# Altium PCB uAMDC.PcbDoc (part 3 of 6)
Units mil, origin at the board's own origin, x right, y up, seen from the top; angles counter-clockwise.
Board outline 4335 x 5120 mil, 6 copper layers (Top Layer, Int1 (GND), Int2 (Sign), Int3 (Sign), Int4 (PWR), Bottom Layer), stack 55.468 mil thick; 396 components, 471 nets, 2094 pads, 683 vias.
Unrouted connection lines stored in the file: 618.
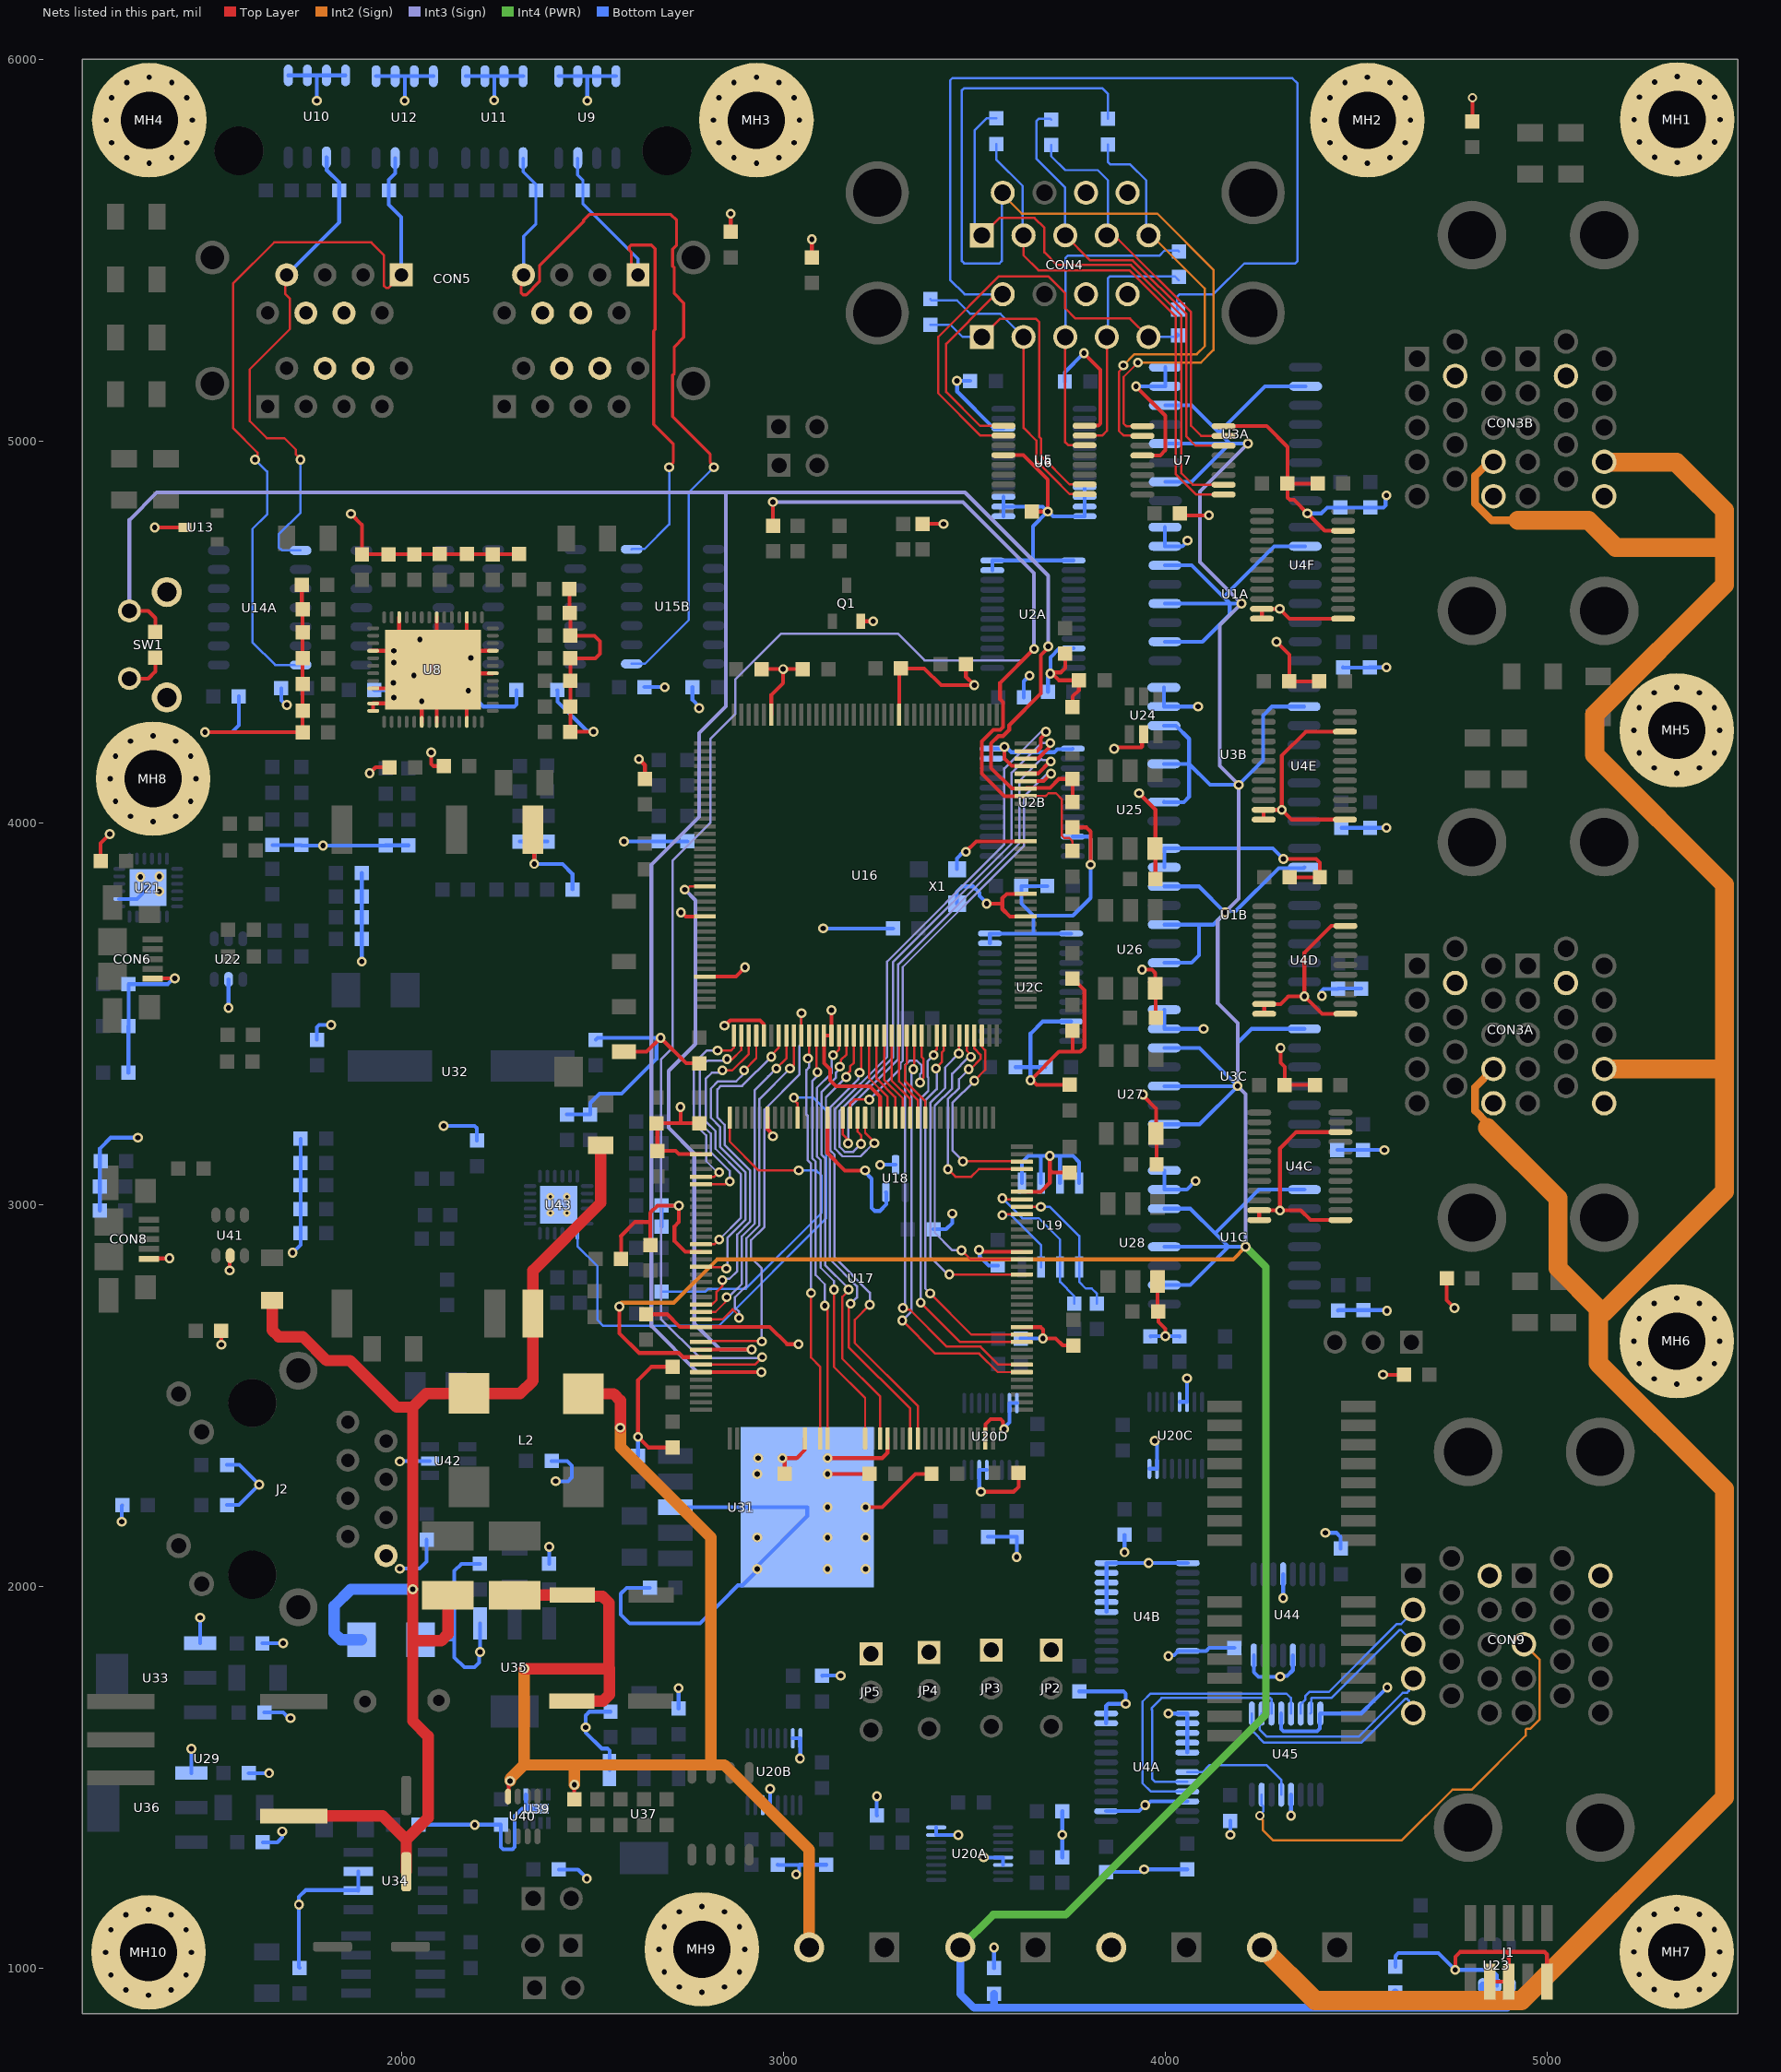
[diagram p7: the nets of this part, all layers, seen from the top]

## Via types
v1: diameter 26, hole 14, Top Layer to Bottom Layer, tented both sides, 326 vias
v2: diameter 26, hole 14, Top Layer to Bottom Layer, 288 vias
v3: diameter 24, hole 14, Top Layer to Bottom Layer, 57 vias
v4: diameter 24, hole 14, Top Layer to Bottom Layer, tented both sides, 5 vias
v5: diameter 19.68, hole 7.87, Top Layer to Bottom Layer, 4 vias
v6: diameter 60, hole 20, Top Layer to Bottom Layer, tented both sides, 3 vias

## Nets (pads, with @x,y where several pads share a name; then routed paths per layer and width w, separated by ;. In a path a pad name is that pad's centre, name@x,y a point inside that pad or via, vN(x,y) a via of type N, cw(c..) or ccw(c..) an arc to the next point about the centre after c; other vN are vias at no path point) (continued)
ANLG_P5: CON5.1C R29.2 U9.3 U15B.14 | length 1402.2
  Top Layer w8: CON5.1C@2620,5435 2602.27,5452.73 2602.27,5494.73 2597,5500 2597,5508.31 2601.69,5513 2655,5513 2664.71,5503.29 2664.71,5291.74 2660.71,5287.74 2660.71,5042.63 2712.3,4991.05 2712.3,4944.69 2701.43,4933.82 v1(2701.43,4931)
  Bottom Layer w6: U15B.14@2603.43,4716 2604.23,4716.8 2636.8,4716.8 2701.43,4781.43 v1(2701.43,4931)
  Bottom Layer w8: U9.3@2462,5740.72 2462,5696.72 2475.46,5683.26 R29.2@2475.46,5656 2475.46,5621.54 2620,5477 CON5.1C@2620,5435
ANLG_P6: CON5.7C R30.2 U11.1 U15B.8 | length 2255.4
  Top Layer w8: CON5.7C@2320,5435 2313.93,5428.93 2313.93,5387.4 2318.62,5382.71 2327.11,5382.71 2362,5417.6 2362,5459.02 2477,5574.02 2477,5577.77 2492.23,5593 2705.51,5593 2720.74,5577.77 2720.74,5512.74 2714.71,5506.71 2714.71,5506.49 2710.71,5502.49 2710.71,5457.51 2714.71,5453.51 2714.71,5385.75 2739.69,5360.77 2739.69,5271.35 2714.71,5246.37 2714.71,5176.49 2710.71,5172.49 2710.71,5063.35 2808.72,4965.33 2808.72,4944.5 2818.25,4934.97 v1(2818.25,4930.81)
  Bottom Layer w6: U15B.8@2603.43,4416 2637.93,4416 2752.93,4531 2752.93,4865.5 v1(2818.25,4930.81)
  Bottom Layer w8: U11.1@2319,5740.72 2319,5704.6 2352.46,5671.13 R30.2@2352.46,5656 2352.46,5568.46 2320,5536 CON5.7C@2320,5435
ANLG_P7: CON5.1D R31.2 U12.3 U14A.14 | length 2070.4
  Top Layer w6: v2(1617,4951) 1617,4956.41 1623.29,4962.7 1623.29,4969.49 1559,5033.77 1559,5411.63 1667.06,5519.69 1921.44,5519.69 1955,5486.13 1955,5405.96 1960.49,5400.46 1965.46,5400.46 CON5.1D@2000,5435
  Bottom Layer w6: v2(1617,4951) 1648.5,4919.5 1648.5,4807.5 1610,4769 1610,4473 1670,4413 U14A.14@1736.28,4413
  Bottom Layer w10: U12.3@1984,5740.72 1984,5700.65 1967.46,5684.12 R31.2@1967.46,5656 1967.46,5618.54 2000,5586 CON5.1D@2000,5435
ANLG_P8: CON5.7D R32.2 U10.2 U14A.8 | length 1308.5
  Top Layer w6: CON5.7D@1700,5435 1696.39,5431.39 1696.39,5384.61 1708.69,5372.31 1708.69,5293.06 1603,5187.37 1603,5052 1647.76,5007.24 1693.5,5007.24 1724,4976.74 1724,4964.51 1736,4952.51 v2(1736,4951)
  Bottom Layer w6: v2(1736,4951) 1736,4812 1679,4755 1679,4721.79 1687.79,4713 U14A.8@1736.28,4713
  Bottom Layer w10: CON5.7D@1700,5435 1837.46,5572.46 R32.2@1837.46,5656 1837.46,5676.11 1804.63,5708.94 1804.63,5742.08 U10.2@1804,5742.72
CDONE: R39.2 R59.2 U16.65 U17.66 | length 4928.1
  Top Layer w6: U17.66@2784.71,2580.54 2925.54,2580.54 v2(2945,2600) ; U16.65@3635.16,4069.28 3686.96,4069.28 3694.68,4077 3714.11,4077 3730,4061.11 3730,3965.41 3735.57,3959.83 3749.33,3959.83 3758,3951.17 R39.2@3758,3925.57
  Top Layer w10: R59.2@2973.25,4777.46 v1(2973.25,4840) ; U16.65@3635.16,4069.28 3579.25,4069.28 3520.2,4128.33 3520.2,4212.94 3549.98,4242.72 3568.83,4242.72 3576.08,4249.98 3576.08,4315.35 3567.97,4323.46 3567.97,4365.97 v1(3657,4455)
  Int3 (Sign) w6: v2(2945,2600) 2942.91,2597.91 2782.09,2597.91 2680,2700 2680,3380 2710,3410 2710,3900 2810,4000 2810,4220 2874.25,4284.25 2874.25,4374.25 2995,4495 3300,4495 3370,4425 3627,4425 v1(3657,4455)
  Int3 (Sign) w10: v1(2973.25,4840) 3471,4840 3657,4654 v1(3657,4455)
CONFIG_SPI5_MISO: U16.67 U17.20 | length 1223.7
  Top Layer w6: U17.20@3175.26,3227 3175.26,3263.59 3186.61,3274.94 3224.78,3274.94 v2(3225.36,3274.36)
  Top Layer w10: U16.67@3635.16,4108.65 3635.67,4109.16 3682.16,4109.16 v1(3701.52,4128.52)
  Int3 (Sign) w6: v2(3225.36,3274.36) 3306.72,3355.72 3306.72,3369.86 3313.13,3376.27 3313.13,3621.72 3630.54,3939.13 3630.54,4067.66 3644.93,4082.06 3691.53,4128.65 3701.38,4128.65 v1(3701.52,4128.52)
CONFIG_SPI5_MOSI: U16.68 U17.21 | length 1395.9
  Top Layer w6: U17.21@3155.57,3227 3155.57,3184.15 3170,3169.73 v2(3170,3160)
  Top Layer w10: U16.68@3635.16,4128.33 3635.67,4128.84 3667.9,4128.84 3699.57,4160.51 v1(3700.85,4160.51)
  Int3 (Sign) w6: v2(3170,3160) 3170,3250.11 3301.13,3381.24 3301.13,3628.65 3618.54,3946.06 3618.54,4109.16 3676.37,4166.99 3679.03,4164.34 3697.02,4164.34 v1(3700.85,4160.51)
CONFIG_SPI5_NSS: U16.71 U17.18 | length 1623.9
  Top Layer w6: U17.18@3214.63,3227 3214.63,3188 3238.78,3163.86 v1(3238.78,3160.42)
  Top Layer w10: U16.71@3635.16,4187.39 3635.67,4187.9 3665.18,4187.9 3675.09,4197.81 3675.09,4221.05 3688.03,4233.98 v1(3688.03,4238.31)
  Int3 (Sign) w6: v1(3238.78,3160.42) 3237.04,3160.42 3202.62,3126 3155.92,3126 3136,3145.92 3136,3250.06 3272,3386.06 3272,3635.93 3579.17,3943.1 3579.17,4142.11 3679.54,4242.49 3683.72,4238.31 v1(3688.03,4238.31)
CONFIG_SPI5_SCK: U16.70 U17.19 | length 1528.9
  Top Layer w6: U17.19@3194.94,3227 3194.94,3190.72 3204.08,3181.58 v2(3204.08,3158.57)
  Top Layer w10: U16.70@3635.16,4167.7 3635.67,4168.21 3668.12,4168.21 3696.62,4196.71 3696.62,4205.45 v1(3699.69,4208.51)
  Int3 (Sign) w6: v2(3204.08,3158.57) 3183.51,3138 3160.89,3138 3148,3150.89 3148,3245.09 3287.54,3384.62 3287.54,3634.5 3598.34,3945.3 3598.34,4131.18 3675.67,4208.51 v1(3699.69,4208.51)
CRESET_B: C104.2 R40.2 R41.1 SW1.1 U16.66 U17.67 | length 6516.9
  Top Layer w10: SW1.1@1288,4554.58 1337.42,4554.58 1356,4536 C104.2@1356,4499.46 ; U17.67@2784.71,2560.86 v2(2943.09,2560.86) ; v1(3694.03,4461.4) 3694.03,4458.09 3675,4439.06 3675,4338.06 3592.08,4255.13 3592.08,4243.35 3575.46,4226.72 3563.67,4226.72 3544.49,4207.54 3544.49,4143.32 3598.34,4089.47 3634.65,4089.47 U16.66@3635.16,4088.96 3637.2,4091 3698.66,4091 3722.21,4114.55 R40.2@3758,4114.55 R41.1@3758,4054.46
  Int3 (Sign) w10: SW1.1@1288,4554.58 1288,4793 1360,4865 2850,4865 ; v2(2943.09,2560.86) 2775.28,2560.86 2655,2681.14 2655,3890 2780,4015 2780,4235 2850,4305 2850,4865 ; v1(3694.03,4461.4) 3694.03,4646.97 3476,4865 2850,4865
DRIVE_EN: C105.2 CON7.2 R61.2 U1A.2 U1A.4 U1A.6 U1A.10 U1B.2 U1B.4 U1B.6 U1B.10 U1C.2 U1C.4 U1C.6 U1C.10 U3A.2 U3A.4 U3A.6 U3A.10 U3B.2 U3B.4 U3B.6 U3B.10 U3C.2 U3C.4 U3C.6 U3C.10 U17.65 U23.1 U23.3 | length 13723.2
  Top Layer w10: v1(2571.24,2732.46) 2571.01,2732.23 2571.01,2662.53 2622.55,2611 2726.6,2611 2737.37,2600.23 U17.65@2784.71,2600.23
  Int4 (PWR) w20: CON7.2@3464,1054 3550,1140 3740,1140 4264,1664 4264,2836 v2(4211,2889)
  Int2 (Sign) w10: v1(2571.24,2732.46) 2571.24,2736.68 2577.1,2742.54 2713.14,2742.54 2826.57,2855.96 4177.96,2855.96 v2(4211,2889)
  Int3 (Sign) w10: v2(4211,2889) 4211,3289 v2(4190,3310) 4190,3474.66 4138,3526.66 4138,3744.4 4157,3763.4 v2(4157,3765) 4193,3801 v2(4193,4099) 4143,4149 4143,4517 v1(4200,4574) 4091,4683 4091,4867 v1(4217,4993)
  Bottom Layer w10: U3B.2@3997,4054 3997.31,4053.69 4048.75,4053.69 4063,4067.94 4063,4154 ; U3B.4@3997,4154 4063,4154 ; U3B.6@3997,4254 4028.5,4254 4063,4219.5 4063,4154 ; U3C.2@3998,3210 4090,3210 v2(4190,3310) ; U3C.4@3998,3310 v2(4190,3310) ; U3C.6@3998,3410 4090,3410 v2(4190,3310) ; U1B.2@3998,3633 4069.13,3633 4089,3652.87 4089,3733 ; U1B.4@3998,3733 4089,3733 ; U1B.6@3998,3833 4089,3833 v2(4157,3765) ; U1C.2@3998.07,2789 4066,2789 4166,2889 ; U1C.4@3998.07,2889 4166,2889 ; U1C.6@3998.07,2989 4066,2989 4131,2924 ; U1A.2@4000,4474 4098,4474 4169.25,4545.25 4169.25,4574 ; U1A.4@4000,4574 4169.25,4574 ; U1A.6@4000,4674 4070,4674 4152,4592 ; U3A.2@4001,4893 4070,4893 4170,4993 ; U3A.4@4001,4993 4170,4993 ; U3A.6@4001,5093 4070,5093 4141,5022 ; v1(4200,4574) 4169.25,4574 ; v2(4211,2889) 4166,2889 ; v1(4217,4993) 4170,4993 ; U3B.10@4363.93,4304 4280,4304 4257,4281 4257,4163 v2(4193,4099) 4118,4099 4063,4154 ; U3C.10@4364.93,3460 4226.3,3460 4190,3423.7 v2(4190,3310) ; U1B.10@4364.93,3883 4362.93,3881 4297.9,3881 4184.96,3768.06 4160.06,3768.06 v2(4157,3765) ; U1C.10@4365,3039 4246,3039 4131,2924 ; U1A.10@4366.93,4724 4286,4724 4154,4592 4152,4592 ; U3A.10@4367.93,5143 4262,5143 4141,5022 ; 4089,3733 4127,3733 4157,3763 v2(4157,3765) ; 4131,2924 4166,2889 ; 4141,5022 4170,4993 ; 4152,4592 4169.25,4574.75 4169.25,4574
  Bottom Layer w20: CON7.2@3464,1054 3464,932 3500,896 3552,896 ; R61.2@3552,932.54 3552,896 ; C105.2@4603,936.54 4603,896 ; U23.3@4831.6,953.85 4831.6,896 ; U23.1@4906.4,953.85 4906.4,906.4 4896,896 4831.6,896 ; 3552,896 4603,896 ; 4603,896 4831.6,896
DSP_CLK: U17.23 U18.2 | length 400.2
  Top Layer w10: U17.23@3116.2,3227 3116.2,3134.53 3161.74,3088.99 v2(3214.63,3088.99)
  Bottom Layer w10: v2@3217.46,3086.16 v2(3214.63,3088.99) 3214.63,3084.66 3231.83,3067.46 3231.83,2990.97 3239.86,2982.94 3252.94,2982.94 3270,3000 3270,3031.08 U18.2@3268.84,3032.24
EEPROM_SCL: R45.1 U17.136 U19.5 | length 387.4
  Top Layer w6: U17.136@3624.87,2993.93 3624.9,2993.96 v2(3675,2994) v2(3675,2994)
  Bottom Layer w6: v2(3675,2994) 3698.14,2994 3775,2917.14 U19.5@3775,2836 3775,2797.08 3792.08,2780 3807.94,2780 3822,2765.94 R45.1@3822,2740.46
EEPROM_SDA: R44.1 U17.137 U19.6 | length 430.3
  Top Layer w6: v2(3574.08,3015.93) 3576.39,3013.61 U17.137@3624.87,3013.61
  Bottom Layer w6: v2(3574.08,3015.93) 3626.15,2963.86 3669.26,2963.86 3725,2908.11 U19.6@3725,2836 3725,2797.08 3762,2760.08 R44.1@3762,2740.46
EEPROM_WC_N: U17.135 U19.7 | length 243.8
  Top Layer w6: v2(3574.08,2971.93) 3576.39,2974.24 U17.135@3624.87,2974.24
  Bottom Layer w6: v2(3574.08,2971.93) 3575.07,2972.92 3596.08,2972.92 3675,2894 U19.7@3675,2836
ENC_1A: CON4.1T R10.2 U5.2 | length 819.6
  Top Layer w6: CON4.1T@3520.47,5272.05 3568.43,5320 3661.49,5320 3670.02,5311.46 3670.02,5010.86 3675,5005.89 3675,4961.32 3750.3,4886.02 U5.2@3789.3,4886.02
  Bottom Layer w6: R10.2@3385,5304.54 3437.46,5304.54 3469.95,5272.05 CON4.1T@3520.47,5272.05
ENC_1A\: CON4.2T R10.1 U5.1 | length 786.3
  Top Layer w6: CON4.2T@3629.53,5272.05 3630,5271.57 3630,5033.92 3663,5000.92 3663,4948.12 3707,4904.12 3707,4903.73 3750.3,4860.43 U5.1@3789.3,4860.43
  Bottom Layer w6: R10.1@3385,5371.46 3388.46,5368 3455,5368 3489.95,5333.06 3568.52,5333.06 CON4.2T@3629.53,5272.05
ENC_1B: CON4.3T R11.2 U5.6 | length 843.1
  Top Layer w6: CON4.3T@3738.58,5272.05 3738.58,4996.62 3746.82,4988.39 U5.6@3789.3,4988.39
  Bottom Layer w6: CON4.3T@3738.58,5272.05 3739,5272.46 3739,5479.14 3744.86,5485 3985,5485 3999,5499 4033.46,5499 R11.2@4036,5496.46
ENC_1B\: CON4.4T R11.1 U5.7 | length 656.3
  Top Layer w6: U5.7@3789.3,5013.98 3835.35,5013.98 3848,5026.63 3848,5271.69 CON4.4T@3847.64,5272.05
  Bottom Layer w6: CON4.4T@3847.64,5272.05 3850,5274.41 3850,5425.14 3855.86,5431 4025.54,5431 R11.1@4036,5420.54
ENC_1Z: CON4.5T R12.2 U5.10 | length 1163
  Top Layer w6: U5.10@3576.7,5013.98 3517.02,5013.98 3406,5125 3406,5272.13 3564.87,5431 3694.18,5431 3738.58,5386.6 3738.58,5347.42 3765.52,5320.48 3908.26,5320.48 CON4.5T@3956.69,5272.05
  Bottom Layer w6: CON4.5T@3956.69,5272.05 R12.2@4028.98,5272.05
  Bottom Layer w10: CON4.5T@3956.69,5272.05 CON4.5T@3965,5280.35 ; R12.2@4028.98,5272.05 R12.2@4033.46,5276.54 ; R12.2@4032,5279 R12.2@4034.46,5276.54
ENC_1Z\: CON4.6T R12.1 U5.9 | length 2962.1
  Top Layer w6: CON4.6T@3575,5383.86 3564.1,5372.95 3545.66,5372.95 3427,5254.29 3427,5128 3515.43,5039.57 U5.9@3576.7,5039.57
  Bottom Layer w6: CON4.6T@3575,5383.86 3475.28,5383.86 3437,5422.14 3437,5944.14 3442.86,5950 4333,5950 4347,5936 4347,5470.86 4341.14,5465 4208,5465 4126.86,5383.86 4037.86,5383.86 4032,5378 4032,5344.93 R12.1@4033.46,5343.46
ENC_2A: CON4.1B R13.2 U7.2 | length 1573.5
  Top Layer w6: CON4.1B@3520.47,5538.19 3566.28,5584 3658,5584 3684.06,5557.94 3684.06,5494.17 3717.47,5460.76 3910.3,5460.76 4042.5,5328.55 4042.5,4915.49 4072.97,4885.02 U7.2@4153.3,4885.02
  Bottom Layer w6: CON4.1B@3520.47,5538.19 3502,5556.66 3502,5813.74 3533.81,5845.56 3556.91,5845.56 R13.2@3558,5844.46
ENC_2A\: CON4.2B R13.1 U7.1 | length 1346.4
  Top Layer w6: CON4.2B@3629.53,5538.19 3629.53,5486.02 3668.54,5447 3907.09,5447 4027.46,5326.62 4027.46,4913.56 4081.59,4859.43 U7.1@4153.3,4859.43
  Bottom Layer w6: R13.1@3558,5777.54 3558,5736.61 3627,5667.61 3627,5540.72 CON4.2B@3629.53,5538.19
ENC_2B: CON4.3B R14.2 U7.6 | length 1203.7
  Top Layer w6: CON4.3B@3738.58,5538.19 3804.01,5472.76 3915.27,5472.76 4056,5332.03 4056,5011.39 4080,4987.39 U7.6@4153.3,4987.39
  Bottom Layer w6: R14.2@3702,5841.46 3700,5843.46 3668.86,5843.46 3663,5837.61 3663,5739.23 3738.58,5663.65 CON4.3B@3738.58,5538.19
ENC_2B\: CON4.4B R14.1 U7.7 | length 1046.9
  Top Layer w6: CON4.4B@3847.64,5538.19 3858.54,5527.28 3877.72,5527.28 4068,5337 4068,5039.5 4094.52,5012.98 U7.7@4153.3,5012.98
  Bottom Layer w6: R14.1@3702,5774.54 3702,5745.72 3738.58,5709.14 3823.86,5709.14 3851,5682 3851,5541.55 CON4.4B@3847.64,5538.19
ENC_2Z: CON4.5B R15.2 U7.10 | length 1145.8
  Top Layer w6: v1(3890.69,5197.8) 3890.69,5192.39 3879.5,5181.2 3879.5,5025.98 3891.65,5013.83 3939.85,5013.83 U7.10@3940.7,5012.98
  Int2 (Sign) w6: v1(3890.69,5197.8) 3919.89,5227 4083,5227 4104,5248 4104,5399 3964.81,5538.19 CON4.5B@3956.69,5538.19
  Bottom Layer w6: R15.2@3851,5776.54 3851,5729.86 3856.86,5724 3909,5724 3951,5682 3951,5543.88 CON4.5B@3956.69,5538.19
ENC_2Z\: CON4.6B R15.1 U7.9 | length 2489.4
  Top Layer w6: v1(3929,5205) 3891.5,5167.5 3891.5,5045.37 3898.3,5038.57 U7.9@3940.7,5038.57
  Top Layer w10: CON4.6B@3569,5644 CON4.6B@3575,5650
  Int2 (Sign) w6: CON4.6B@3575,5650 3575,5645 3625,5595 3980,5595 4126.86,5448.14 4126.86,5237.71 4094.15,5205 v1(3929,5205)
  Bottom Layer w6: CON4.6B@3575,5650 3572.57,5647.57 3572.57,5470.86 3566.72,5465 3473.86,5465 3468,5470.86 3468,5918.14 3473.86,5924 3835,5924 3851,5908 R15.1@3851,5843.46
ETH_MDC: U17.27 U43.13 | length 1408.6
  Top Layer w6: v2(3028.07,3279.71) 3028.07,3274.29 3037.43,3264.94 3037.43,3227.04 U17.27@3037.46,3227
  Bottom Layer w6: U43.13@2461.21,2924.2 2461.21,2890.67 2513.51,2838.37 2513.51,2697.52 2529.03,2682 2831.14,2682 3113,2963.86 3113,3246 3079.29,3279.71 v2(3028.07,3279.71)
ETH_MDIO: R97.1 U17.36 | length 942.8
  Top Layer w6: U17.36@2860.3,3227 2860.3,3164.66 2935.97,3088.99 v2(3041,3088.99)
  Bottom Layer w6: R97.1@2681.46,2772 2682.46,2771 2796,2771 2804,2779 2902.03,2779 3101,2977.97 3101,3074.93 3086.94,3088.99 v2(3041,3088.99)
EXTRA_SPI6_MISO: U16.2 U17.42 | length 575.3
  Top Layer w6: U17.42@2784.71,3052.98 2847.87,3052.98 2854.89,3060 v2(2860.3,3060) ; v2(2853.04,3381) 2854.87,3379.17 2865.16,3379.17 2890.28,3404.29 U16.2@2890.28,3442.5
  Int3 (Sign) w6: v2(2853.04,3381) 2848.8,3376.76 2802.22,3376.76 2781.99,3356.52 2781.99,3214.17 2810.67,3185.49 2810.67,3137.33 2860.3,3087.7 v2(2860.3,3060)
EXTRA_SPI6_MOSI: U16.32 U17.129 | length 819.6
  Top Layer w6: v1(3467,2879.96) 3490.83,2856.13 U17.129@3624.87,2856.13 ; U16.32@3480.83,3442.5 3480.83,3402.6 3491.51,3391.92 v2(3491.51,3386.51)
  Int3 (Sign) w6: v1(3467,2879.96) 3443.17,2879.96 3397,2926.13 3397,3258.47 3442.46,3303.92 3442.46,3342.31 3486.65,3386.51 v2(3491.51,3386.51)
EXTRA_SPI6_NSS: U16.16 U17.93 | length 1160.2
  Top Layer w6: v2(3148.5,3360.92) 3151,3363.42 3151,3378 3165.87,3392.87 U16.16@3165.87,3442.5 ; v2(3170.99,2776.76) 3170.99,2773.99 3154.78,2757.78 3154.78,2596.22 3254,2497 U17.93@3254,2386.84
  Int3 (Sign) w6: v2(3148.5,3360.92) 3148.5,3355.5 3138.5,3345.5 3138.5,3332.5 3100,3294 3100,3131.01 3110,3121.01 3110,2841 3170.99,2780.01 v2(3170.99,2776.76)
EXTRA_SPI6_SCK: U16.1 U17.41 | length 522.3
  Top Layer w6: U17.41@2784.71,3072.67 2819.75,3072.67 2831.46,3084.38 v1(2832.5,3084.38) ; v2(2828,3403) 2863.24,3403 2871.11,3410.87 2871.11,3441.98 U16.1@2870.59,3442.5
  Int3 (Sign) w6: v2(2828,3403) 2799.46,3403 2766,3369.54 2766,3213.19 2798.67,3180.52 2798.67,3113.33 2827.62,3084.38 v1(2832.5,3084.38)
FMC_A0: U16.24 U17.10 | length 239.5
  Top Layer w6: U16.24@3323.35,3442.5 3323.35,3368.05 3318.72,3363.42 3318.72,3324.25 3372.11,3270.86 U17.10@3372.11,3227
FMC_A1: U16.23 U17.11 | length 235.7
  Top Layer w6: U16.23@3303.66,3442.5 3303.66,3322.34 3352.43,3273.57 U17.11@3352.43,3227
FMC_A2: U16.22 U17.12 | length 235.7
  Top Layer w6: U16.22@3283.98,3442.5 3283.98,3324.21 3332.74,3275.45 U17.12@3332.74,3227
FMC_A3: U16.21 U17.13 | length 235.7
  Top Layer w6: U16.21@3264.29,3442.5 3264.29,3326.93 3313.06,3278.16 U17.13@3313.06,3227
FMC_A4: U16.20 U17.14 | length 235.7
  Top Layer w6: U16.20@3244.61,3442.5 3244.61,3329.64 3293.37,3280.88 U17.14@3293.37,3227
FMC_A5: U16.19 U17.15 | length 235.7
  Top Layer w6: U16.19@3224.92,3442.5 3224.92,3330.72 3273.68,3281.96 U17.15@3273.68,3227
FMC_A6: U16.3 U17.50 | length 725.7
  Top Layer w6: U17.50@2784.71,2895.5 2784.96,2895.75 2819.66,2895.75 2831.91,2908 v1(2832.42,2908) ; v2(2841.05,3351.33) 2866.75,3351.33 2909.96,3394.55 U16.3@2909.96,3442.5
  Int3 (Sign) w6: v1(2832.42,2908) 2889.68,2965.26 2889.68,3079.05 2822.67,3146.06 2822.67,3192.33 2797,3218 2797,3329 2813,3345 2837.53,3345 2841.05,3348.51 v2(2841.05,3351.33)
FMC_A7: U16.4 U17.53 | length 814.4
  Top Layer w6: U17.53@2784.71,2836.45 2785.54,2835.61 2847.49,2835.61 2847.49,2835.48 v2(2851.01,2831.96) ; v2(2897.86,3351.33) 2929.65,3383.12 U16.4@2929.65,3442.5
  Int3 (Sign) w6: v2(2851.01,2831.96) 2854.42,2835.37 2854.42,2913.03 2901.68,2960.29 2901.68,3084.02 2834.67,3151.03 2834.67,3203 2810.67,3227 2810.67,3303.29 2829.82,3322.44 2877.11,3322.44 2897.86,3343.19 v2(2897.86,3351.33)
FMC_D0: U16.11 U17.85 | length 1075.1
  Top Layer w6: v2(3065.13,3382.39) 3067.44,3384.7 U16.11@3067.44,3442.5 ; v2(3073,2768) 3073,2598.81 3096.52,2575.29 U17.85@3096.52,2386.84
  Int3 (Sign) w6: v2(3065.13,3382.39) 3067.44,3380.07 3067.44,3358.94 3060.81,3352.31 3060.81,3235.79 3064,3232.61 3064,3116.09 3073,3107.09 v2(3073,2768)
FMC_D1: U16.12 U17.86 | length 1078.8
  Top Layer w6: U16.12@3087.13,3442.5 3087.13,3348.94 v2(3089.4,3346.67) ; v2(3109,2734.75) 3109,2730.42 3116.2,2723.21 U17.86@3116.2,2386.84
  Int3 (Sign) w6: v2(3089.4,3346.67) 3089.44,3346.63 3089.44,3335.93 3076,3322.49 3076,3121.06 3085,3112.06 3085,2815 3109,2791 v2(3109,2734.75)
FMC_D2: U16.25 U17.114 | length 1128.2
  Top Layer w6: v2(3312,2696) 3398.38,2609.62 3513.15,2609.62 3561.91,2560.86 U17.114@3624.87,2560.86 ; v2(3340.72,3354.55) 3343.03,3356.86 U16.25@3343.03,3442.5
  Int3 (Sign) w6: v2(3312,2696) 3335.53,2719.53 3335.53,3341.03 3336.89,3342.4 3336.89,3350.72 v2(3340.72,3354.55)
FMC_D3: U16.26 U17.115 | length 1240.7
  Top Layer w6: v2(3313.53,2728.64) 3317.35,2724.81 3331.19,2724.81 3428.4,2627.6 3517.01,2627.6 3564.06,2580.54 U17.115@3624.87,2580.54 ; v2(3358.09,3319.06) 3358.09,3322.77 3367.89,3332.58 3367.89,3380.88 3362.72,3386.05 U16.26@3362.72,3442.5
  Int3 (Sign) w6: v2(3313.53,2728.64) 3313.53,2734.05 3318.72,2739.24 3318.72,3363.66 3331.6,3376.55 3349.83,3376.55 3362.72,3363.66 3362.72,3345.44 3358.34,3341.06 3358.34,3319.32 v2(3358.09,3319.06)
FMC_D4: U16.7 U17.58 | length 918.2
  Top Layer w6: U17.58@2784.71,2738.02 2813.49,2738 2825.33,2749.84 2825.33,2771.33 2841,2787 2841,2801.48 v2(2840.87,2801.61) ; v2(2969.02,3386.85) 2969.02,3391.19 2988.7,3410.87 U16.7@2988.7,3442.5
  Int3 (Sign) w6: v2(2840.87,2801.61) 2844.7,2805.43 2859.43,2805.43 2879.68,2825.68 2879.68,2921.32 2913.68,2955.32 2913.68,3088.99 2846.67,3156 2846.67,3208.84 2828,3227.51 2828,3301.47 2836.97,3310.44 2892.61,3310.44 v2(2969.02,3386.85)
FMC_D5: U16.8 U17.59 | length 841.9
  Top Layer w6: U17.59@2784.71,2718.34 2822.65,2718.34 2848.17,2743.87 2848.17,2753.12 v2(2852,2756.95) ; v2(2982,3356) 3008.39,3382.39 U16.8@3008.39,3442.5
  Int3 (Sign) w6: v2(2852,2756.95) 2852.76,2757.71 2857.65,2757.71 2891.68,2791.73 2891.68,2916.35 2925.68,2950.35 2925.68,3299.68 2960.99,3334.99 v2(2982,3356)
FMC_D6: U16.9 U17.60 | length 931.4
  Top Layer w6: U17.60@2784.71,2698.65 2840.75,2698.65 2867.56,2725.46 2880.73,2712.3 2880.73,2706.48 2884.24,2702.97 v2(2884.56,2702.97) ; v2(3017.78,3356) 3028.07,3366.29 U16.9@3028.07,3442.5
  Int3 (Sign) w6: v2(2884.56,2702.97) 2884.56,2718.86 2874,2729.41 2874,2757.08 2903.68,2786.76 2903.68,2911.38 2937.68,2945.38 2937.68,3275.9 v2(3017.78,3356)
FMC_D7: U16.10 U17.63 | length 1145.8
  Top Layer w6: U17.63@2784.71,2639.6 2787.02,2641.91 2943.09,2641.91 v2(2944,2641) ; U16.10@3047.76,3442.5 v2(3047.76,3501.13)
  Int3 (Sign) w6: v2(2944,2641) 2944,2832.37 2915.68,2860.7 2915.68,2906.41 2951,2941.73 2951,3248.71 3042.83,3340.54 3042.83,3415.67 3047.76,3420.59 v2(3047.76,3501.13)
FMC_NBL0: U16.33 U17.141 | length 605.4
  Top Layer w6: v2(3431.17,3092.35) 3450.85,3072.67 3492.67,3072.67 3512.35,3092.35 U17.141@3624.87,3092.35 ; v2(3485.81,3354.55) 3490.66,3354.55 3517,3380.89 3517,3392.13 3500.75,3408.38 3500.75,3442.26 U16.33@3500.51,3442.5